# Altium PCB UHF Transceiver PCB.PcbDoc (part 2 of 5) (continued)
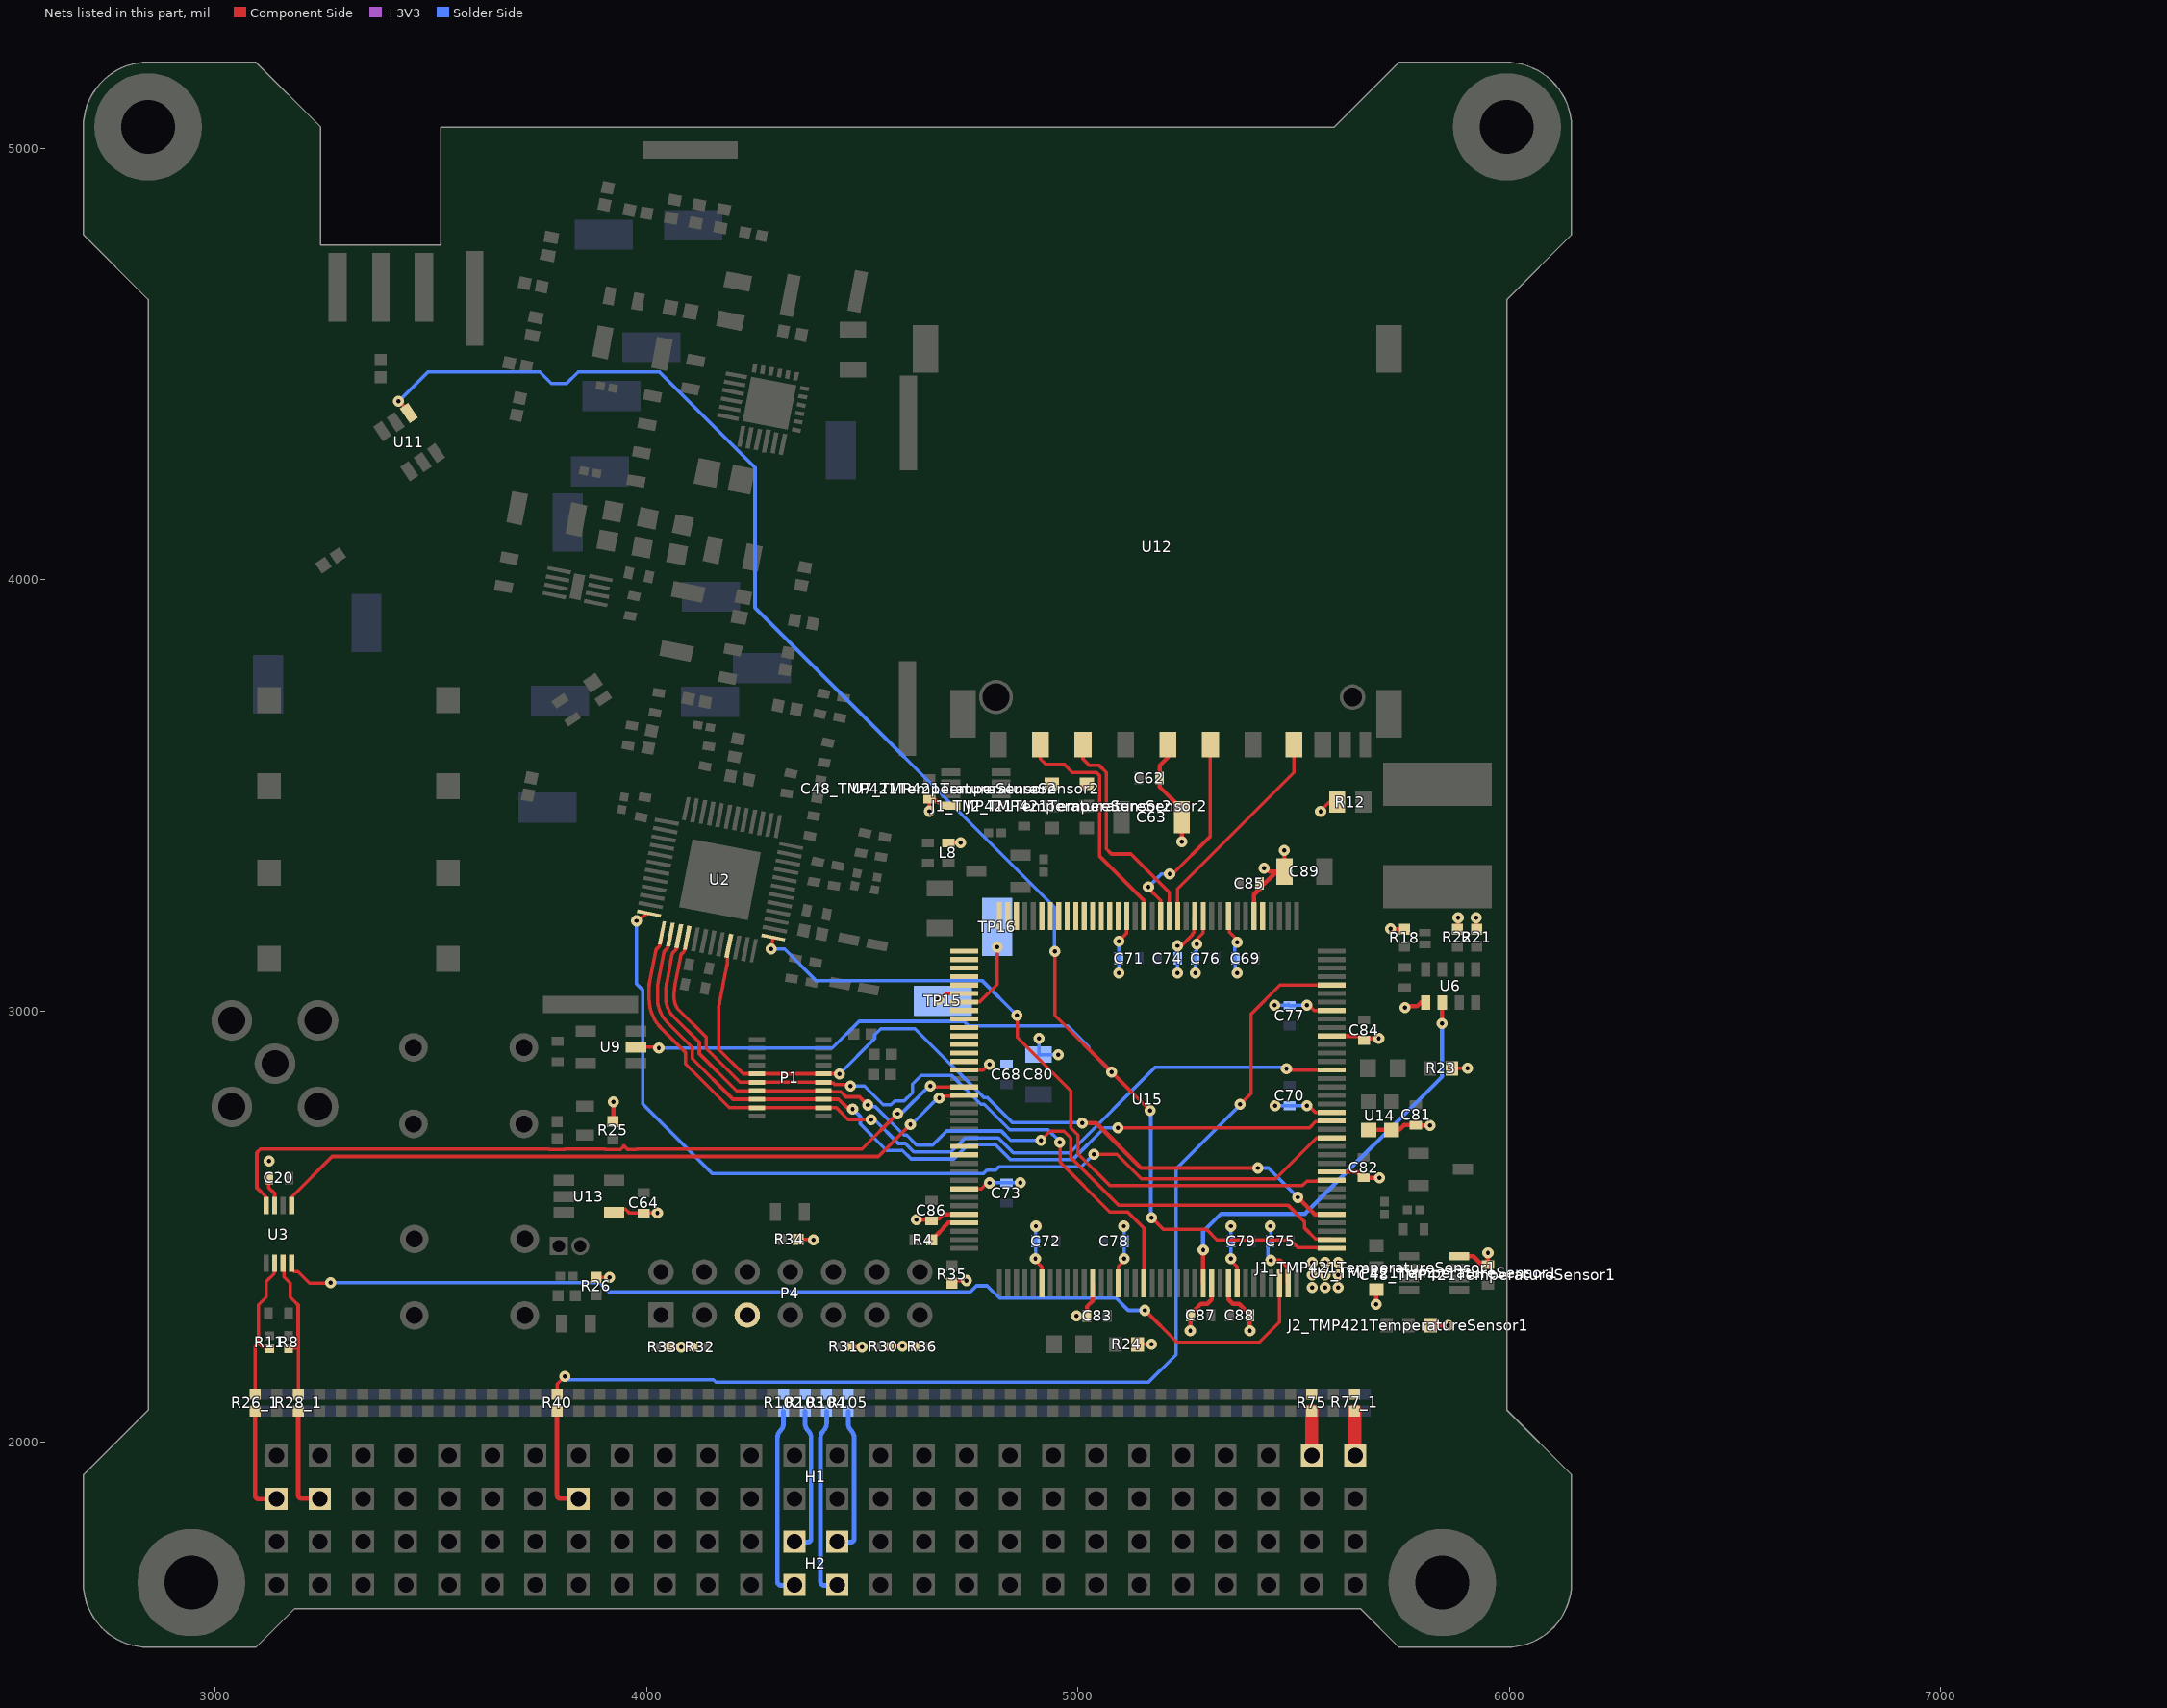
[diagram p4: the nets of this part, all layers, seen from the top]
## Part data (continued)
S1 S2: library part 452, "SWITCH TACTILE SPST-NO 0.05A 24V", Power (Watts)=1.2W, Supplier Part Number 1=450-1804-ND, LatestRevisionDate=17-Jul-2002, LatestRevisionNote="Re-released for DXP Platform.", Manufacturer Part Number=1825910-7, PackageDescription="Tactile Switch SPST-NO Top Actuated Through Hole", PackageReference=1825910-7, Part Number=452, Published=24-Mar-1999, Publisher="Altium Limited", Supplier 1=Digi-Key, Supplier Link=http://www.digikey.ca/product-search/en?keywords=450-1804-ND
TP1 TP2 TP3 TP4 TP5 TP6 TP7 TP8 TP9 TP10 TP11 TP12 TP13 TP14 TP15 TP16: library part PTP-KS-00001, "PC TEST POINT MINI SMD", Supplier Part Number 1=36-5017CT-ND, Index=1, LatestRevisionDate=2016-03-15, LatestRevisionNote=..., Manufacturer Part Number=5017, PackageDescription="Testpoint Lug Mini SMD 27X10X152", PackageReference=KS-5017, Part Number=PTP-KS-00001, Published=2016-03-15, Publisher=AlbertaSat, Supplier 1=Digi-key, Supplier 2=Newark, Supplier 3=Mouser, Supplier Link=#http://www.digikey.ca/product-detail/en/keystone-electronics/5017/36-5017TR-ND/2217304#
U1: library part PU-NDK-00001, "OSC VCTCXO 19.68MHZ SMD", Current - Supply (Max)=1.5mA, Frequency Stability=±2.5ppm, Manufacturer Part Number=NT3225SA-19.680000MHZ, Operating Temperature="-30°C ~ 75°C", Supplier Part Number 1=644-1088-1-ND, Voltage - Supply=3V, Index=1, LatestRevisionDate=2018-09-04, LatestRevisionNote=..., PackageDescription="4-SMD, No Lead, 0.126\" L x 0.098\" W x 0.039\" H (3.20mm x 2.50mm x 1.00mm)", PackageReference="4-SMD, No Lead", Part Number=PU-NDK-00001, Published=2018-09-04, Publisher=AlbertaSat, Supplier 1=Digi-key, Supplier 2="Excess Parts", Supplier Link=#https://www.digikey.ca/products/en?keywords=644-1088-1-ND#, Supplier Part Number 2=NT3225SA-19.680000MHZ
U2: library part PU-ADI-00005, "IC RF TXRX ISM<1GHZ 48-VFQFN", Manufacturer_Name="Analog Devices", Manufacturer_Part_Number=ADF7021BCPZ, Manufacturer Part Number=ADF7021BCPZ-RL, RS Part Number=6977565, Supplier Part Number 1=ADF7021BCPZ-RLCT-ND, Datasheet Link=http://www.analog.com/static/imported-files/data_sheets/ADF7021.pdf, Geometry.Height=0.8mm, Index=5, LatestRevisionDate=2018-02-06, LatestRevisionNote=..., PackageDescription="PQFN, 48-Leads, Body 7.00x7.00mm, Pitch 0.50mm, Thermal Pad 4.10x4.10mm, IPC Medium Density", PackageReference=48-VFQFN, Part Number=PU-ADI-00005, Published=2018-02-06, Publisher=AlbertaSat, Supplier 1=Digi-key, Supplier 2=Mouser, Supplier_Name=RS, Supplier Link=#https://www.digikey.ca/product-detail/en/analog-devices-inc/ADF7021BCPZ-RL/ADF7021BCPZ-RLCT-ND/4162134#, Supplier Part Number 2=584-ADF7021BCPZ-R
U3: library part 78, "IC TXRX CAN 3.3V SOT23-8", Manufacturer Part Number=TCAN337GDCNR, Operating Temperature="-40°C ~ 125°C", Supplier Part Number 1=296-48971-1-ND, PackageReference=SOT-23-8, Part Number=78, Supplier 1=Digi-Key, Supplier 2=Mouser, Supplier Link=#https://www.digikey.ca/product-detail/en/texas-instruments/TCAN337GDCNR/296-48971-1-ND/8635034#, Supplier Part Number 2=595-TCAN337GDCNR
U4: library part 51, "IC LOAD SWITCH 6A 8WSON", Manufacturer Part Number=TPS22965QWDSGTQ1, Operating Temperature="-40°C ~ 125°C (TA)", Supplier Part Number 1=296-50067-1-ND, PackageReference="8-WFDFN Exposed Pad", Part Number=51, Supplier 1=Digi-Key, Supplier 2=Mouser, Supplier Link=#https://www.digikey.ca/product-detail/en/texas-instruments/TPS22965QWDSGTQ1/296-50067-1-ND/9462874#, Supplier Part Number 2=595-TPS22965QWDSGRQ1
U5: library part PU-QRV-00001, "RF Amplifier IC CDMA, GSM, EDGE 100MHz ~ 1GHz 24-LCC (4x4)", Manufacturer Part Number=RF6886TR13, Operating Frequency="100MHz - 1 GHz", Operating Supply Voltage="3.6 V", Operating Temperature="-40°C ~ 85°C (TA)", Opperating Supply Current="390 mA", Supplier Part Number 1=772-RF6886, Applications="General Purpose", Gain="31 dB", Index=1, LatestRevisionDate=2018-04-20, LatestRevisionNote=..., PackageDescription=QFN-24, PackageReference="24-VFQFN Exposed Pad", Part Number=PU-QRV-00001, Published=2018-04-20, Publisher=AlbertaSat, Supplier 1=Mouser, Supplier 2="Avnet Asia", Supplier Link=#https://ca.mouser.com/ProductDetail/Qorvo/RF6886TR13?qs=sGAEpiMZZMuI1aKsGLfKZB%252b0jWhrXKds1WCZrINp87s%3d#, Supplier Part Number 2=RF6886TR13
U6: library part PU-ABR-00037, "IC RTC CLK/CALENDAR I2C 8-SMT", Manufacturer Part Number=AB-RTCMK-32.768KHZ-T3, Supplier Part Number 1=535-11916-1-ND, Index=37, LatestRevisionDate=2018-04-23, LatestRevisionNote=..., PackageDescription="8-SMD Module", PackageReference="8-SMD Module", Part Number=PU-ABR-00037, Published=2018-04-23, Publisher=AlbertaSat, Supplier 1=Digi-key, Supplier 2=Mouser, Supplier Link=https://www.digikey.ca/product-detail/en/abracon-llc/AB-RTCMK-32.768KHZ-T3/535-11916-1-ND/3601050, Supplier Part Number 2=815-AB-RTCMK-32.7KT3
U7_TMP421TemperatureSensor1 U7_TMP421TemperatureSensor2: library part 40, "SENSOR TEMPERATURE SMBUS SOT23-8", Manufacturer Part Number=TMP421AIDCNR, Operating Temperature="-40°C ~ 125°C", Supplier Part Number 1=296-35959-1-ND, PackageReference=SOT-23-8, Part Number=40, Supplier 1=Digi-Key, Supplier 2=Mouser, Supplier Link=#https://www.digikey.ca/product-detail/en/texas-instruments/TMP421AIDCNR/296-35959-1-ND/4135040#, Supplier Part Number 2=595-TMP421AIDCNR
U8: library part PU-QRV-00002, "RF Amplifier .05-4GHz SSG 12.9dB NF .8dB GaAs", Operating Frequency="50 MHz to 4 GHz", Operating Supply Voltage=5V, Operating Temperature="-40°C ~ 85°C (TA", Opperating Supply Current="46 mA", Supplier Part Number 1=772-SPF5043Z, Applications="Wireless & RF Integrated Circuits", Gain="12.9 dB", Index=2, LatestRevisionDate=2018-05-28, LatestRevisionNote=..., Manufacturer Part Number=SPF5043Z, PackageDescription="SOT143, 4-Leads, Body 2.00x2.10mm, Pitch 1.30mm, IPC Medium Density", PackageReference=SOT-343-4, Part Number=PU-QRV-00002, Published=2018-05-28, Publisher=AlbertaSat, Supplier 1=Mouser, Supplier 2="Avnet Asia", Supplier Link=#https://www.mouser.ca/ProductDetail/Qorvo/SPF5043Z?qs=p6lVfQR1GSoUob90DTnCEA%3D%3D#, Supplier Part Number 2=SPF5043Z
U9: library part 52, "IC INVERTER SCHMITT 1CH SOT23-5", Current - Output (Max)="±50 mA", Manufacturer Part Number=SN74LVC1G14MDBVREP, Operating Temperature="-55°C ~ 125°C", Supplier Part Number 1=296-22346-1-ND, Voltage - Supply="1.65 V ~ 5.5 V", PackageReference="SOT-23-5, SC-74A, SOT-753", Part Number=52, Supplier 1=Digi-Key, Supplier 2=Mouser, Supplier Link=#https://www.digikey.ca/products/en?keywords=296-22346-1-ND#, Supplier Part Number 2=595-SN74LVC14MDBVREP
U10: library part PU-MICI-00002, "Band Pass Filter", Manufacturer Part Number=SXBP-425+, Index=2, LatestRevisionDate=2018-12-19, LatestRevisionNote=..., Part Number=PU-MICI-00002, PassBand="410 to 440 MHz", Published=2018-12-19, Publisher=AlbertaSat, Supplier 1="Mini Circuits", Supplier Link=#https://www.minicircuits.com/WebStore/dashboard.html?model=SXBP-425%2B#, Supplier Part Number 1=SXBP-425+
U11: library part PU-SKYW-00003, "IC SW SPDT 0.1-2.5GHZ SOT6", Manufacturer Part Number=AS193-73LF, Supplier Part Number 1=863-1006-1-ND, Index=3, LatestRevisionDate=2018-05-18, LatestRevisionNote=..., PackageDescription="SOT23, 6-Leads, Body 2.90x2.70mm, Pitch 0.95mm, IPC Medium Density", PackageReference="SOT-23 6L", Part Number=PU-SKYW-00003, Published=2018-05-18, Publisher=AlbertaSat, Supplier 1=Digi-key, Supplier 2=Mouser, Supplier Link=#https://www.digikey.ca/products/en?keywords=863-1006-1-ND#, Supplier Part Number 2=873-AS193-73LF
U12: library part 56, "CONN SD CARD PUSH-PULL R/A SMD", Supplier Part Number 1=732-3817-1-ND, Manufacturer Part Number=693063010911, Part Number=56, Supplier 1=Digi-Key, Supplier 2=Mouser, Supplier Link=#https://www.digikey.ca/product-detail/en/wurth-electronics-inc/693063010911/732-3817-1-ND/3124599#, Supplier Part Number 2=710-693063010911
U13: library part PU-STM-00004, "IC WATCHDOG TIME CIRCUIT SOT23-5", Manufacturer Part Number=STWD100YNWWY3F, Supplier Part Number 1=497-14864-1-ND, Index=4, LatestRevisionDate=2017-04-06, LatestRevisionNote=..., Output Type="Open Drain", PackageReference=SOT-23-5, Part Number=PU-STM-00004, Published=2017-04-06, Publisher=AlbertaSat, Supplier 1=Digi-key, Supplier 2=Mouser, Supplier Link=https://www.digikey.ca/product-search/en?keywords=497-14864-1-ND, Supplier Part Number 2=511-STWD100YNWWY3F
U14: library part PU-ABR-00014, "OSC MEMS 16.000MHZ CMOS SMD", Manufacturer Part Number=ASDMB-16.000MHZ-XY-T, Supplier Part Number 1=535-11457-1-ND, Tolerance=±10ppm, Index=14, LatestRevisionDate=2017-10-24, LatestRevisionNote=..., PackageDescription="DFN, 4-Leads, Body 2.00x2.50mm, Pitch 1.65mm, IPC Low Density", PackageReference="4-SMD, No Lead", Part Number=PU-ABR-00014, Published=2017-10-24, Publisher=AlbertaSat, Supplier 1=Digi-key, Supplier 2=Mouser, Supplier Link=http://www.digikey.ca/product-search/en?keywords=535-11457-1-ND, Supplier Part Number 2=815-ASDMB-16-XY-T
U15: library part 59, "IC MCU 32BIT 1.25MB FLASH 144QFP", Manufacturer Part Number=TMS5701224CPGEQQ1, Operating Temperature="-40°C ~ 125°C (TJ)", Supplier Part Number 1=296-47200-ND, Core Processor="Arm-Cortex - R4F", Core Size=32-Bit, PackageReference=144-LQFP, Part Number=59, Program Memory Size="1280KB (1280K x 8)", RAM Size="192K (192K X 8)", Speed=160MHz, Supplier 1=Digi-Key, Supplier 2=Mouser, Supplier Link=#https://www.digikey.ca/product-detail/en/texas-instruments/TMS5701224CPGEQQ1/296-47200-ND/5414218#, Supplier Part Number 2=595-MS5701224CPGEQQ1

## Free pads (board coordinates)
  round 250 hole 125: 7(5843.98,1674.7) 8(2943.98,1674.7) 9(2843.98,5049.7) 10(5993.98,5049.7)

## Via types
v1: diameter 25.84, hole 9.84, Component Side to Solder Side, tented both sides, 647 vias
v2: diameter 25.78, hole 9.84, Component Side to Solder Side, tented both sides, 129 vias
v3: diameter 21.81, hole 11.81, Component Side to Solder Side, tented both sides, 20 vias
v4: diameter 25.84, hole 9.84, Component Side to Solder Side, 3 vias
v5: diameter 25.84, hole 9.84, GND to Solder Side, tented both sides, 1 vias

## Nets (pads, with @x,y where several pads share a name; then routed paths per layer and width w, separated by ;. In a path a pad name is that pad's centre, name@x,y a point inside that pad or via, vN(x,y) a via of type N, cw(c..) or ccw(c..) an arc to the next point about the centre after c; other vN are vias at no path point)
+1V2: C68.2 C69.2 C70.2 C71.2 C72.2 C73.2 C74.2 C75.2 C76.2 C77.2 C78.2 C79.2 C80.2 H1.52 R77_1.1 R77_1.2 U15.17 U15.29 U15.45 U15.48 U15.49 U15.57 U15.87 U15.101 U15.114 U15.123 U15.137 U15.143 | length 1879.9
  Component Side w8: U15.101@4735.62,2587.41 4775.39,2587.41 4789.39,2601.41 v1(4794,2601.41) v1@4794.21,2601.41 ; U15.87@4735.62,2863.28 4780.11,2863.28 4793.02,2876.19 v1(4794,2876.19) ; v1(4900.95,2426) 4900.95,2421.17 4915.74,2406.38 U15.114@4915.74,2368.2 ; U15.123@5092.91,2368.2 5092.91,2407.89 5106.19,2421.17 v1(5106.19,2426) ; v1(5094.05,3162) 5112.59,3180.54 U15.57@5112.59,3220.56 ; v1(5230,3151) 5233.41,3154.41 5242.48,3154.41 5264.55,3176.48 5264.55,3178.12 5268.23,3181.81 5268.23,3218.72 U15.49@5270.07,3220.56 ; v1(5275,3155) 5275,3165.95 5289.76,3180.71 U15.48@5289.76,3220.56 ; U15.45@5348.81,3220.56 5350.66,3218.72 5350.66,3183.11 5365.59,3168.18 5365.59,3162.41 v1(5369,3159) ; v1(5354.16,2426.21) 5354.16,2421.39 5368.5,2407.05 U15.137@5368.5,2368.2 ; v1(5447,2422) 5468.42,2422 5484.77,2405.65 5484.77,2370.04 U15.143@5486.61,2368.2 ; v1(5530,2780) 5534.83,2780 5549.98,2764.85 U15.17@5587.99,2764.85 ; v1(5530,3012.95) 5534.83,3012.95 5546.71,3001.07 U15.29@5587.99,3001.07
  Component Side w30: H1.52@5641.92,1969.38 R77_1.1@5641.92,2073.27
  Solder Side w8: v1@4794.21,2601.41 4794.43,2601.62 C73.2@4834,2601.62 4834.22,2601.84 v1(4866,2601.84) 4873.78,2601.84 v1@4874.21,2601.41 ; v1(4900.95,2426) 4901.16,2426.21 4901.16,2465.78 C72.2@4901.38,2466 4901.38,2505.57 v1@4900.95,2506 ; v1(4909,2936) 4909,2900.26 C80.2@4908,2899.26 4908.26,2899 v1(4954,2899) ; v1@5094.05,3082 5094.38,3082.33 C71.2@5094.38,3122 5094.38,3136.17 5094.05,3136.5 v1(5094.05,3162) ; v1(5106.19,2426) 5106.41,2426.22 5106.41,2465.79 C78.2@5106.62,2466 5106.62,2505.57 v1@5106.19,2506 ; v1(5230,3151) 5230.31,3150.69 5230.31,3122.31 C74.2@5230.62,3122 v1(5230.62,3088) v1@5230.62,3082.33 ; v1@5271.05,3082 5271.38,3082.33 v1(5271.38,3088) C76.2@5271.38,3122 5271.38,3136.17 5271.05,3136.5 5275,3140.45 v1(5275,3155) ; v1@5353.95,2426 v1(5354.16,2426.21) 5354.16,2465.78 C79.2@5354.38,2466 v1(5354.38,2501) 5354.38,2505.57 v1@5353.95,2506 ; v1@5364.38,3088.38 C69.2@5364.38,3122 5363.19,3123.19 5363.19,3154.31 5364.31,3154.31 v1(5369,3159) ; v1@5446.22,2505.36 5446.22,2501 5446.22,2465.79 5440,2459.57 5440,2429 v1(5447,2422) ; v1@5450,3012.95 v1(5456,3012.95) 5485.57,3012.95 5487.62,3015 C77.2@5490,3012.62 5504.17,3012.62 5504.5,3012.95 v1(5530,3012.95) ; v1(5456.43,2780.43) C70.2@5490,2780.43 5490.21,2780.22 5529.78,2780.22 v1(5530,2780)
  other v1: 5543,2359 5573,2359 5603,2359 5543,2388 5573,2388 5603,2388 5543,2417 5573,2417 5603,2417 4902,2501 5106,2501 5446,2501 5094.05,3088 5369,3088
+3V3: C20.1 C48_TMP421TemperatureSensor1.1 C48_TMP421TemperatureSensor2.1 C62.1 C63.1 C64.1 C81.2 C82.2 C83.2 C84.2 C85.2 C86.2 C87.2 C88.2 C89.2 H1.50 J1_TMP421TemperatureSensor1.3 J1_TMP421TemperatureSensor2.3 J2_TMP421TemperatureSensor1.3 J2_TMP421TemperatureSensor2.3 L8.1 P4.5 R12.2 R18.2 R21.1 R22.1 R23.1 R24.1 R25.2 R26.2 R30.2 R31.2 R32.2 R33.2 R34.2 R35.2 R36.2 R75.1 R75.2 U3.3 U6.1 U7_TMP421TemperatureSensor1.8 U7_TMP421TemperatureSensor2.8 U12.4 U13.5 U14.1 U14.4 U15.10 U15.26 U15.42 U15.104 U15.120 U15.134 U15.136 | length 2512.1
  Component Side w8: C20.1@3123.47,2612.74 3123.47,2590.43 3137.14,2576.75 U3.3@3137.14,2548.93 ; R26.2@3882.51,2382.06 3913.94,2382.06 v1(3914,2382) ; U13.5@3927.07,2540.6 3950.69,2540.6 3959.91,2531.38 C64.1@3993,2531.38 v1(4024.62,2531.38) ; R33.2@4051,2221 v1(4080,2221) R32.2@4108.24,2221 ; R34.2@4350.68,2470 4385,2470 v1(4386,2469) ; R31.2@4471.8,2222 4498,2222 v1(4499,2221) ; R30.2@4562.8,2222 4563.3,2222.5 4591.5,2222.5 4592,2222 v1(4593,2223) 4594,2222 R36.2@4623.2,2222 ; C48_TMP421TemperatureSensor2.1@4650,3490.8 4650.04,3490.84 4668.09,3490.84 4682.93,3476 U7_TMP421TemperatureSensor2.8@4704.93,3476 ; v1(4655,3463.26) C48_TMP421TemperatureSensor2.1@4655,3491.1 ; L8.1@4698.62,3389.71 4698.92,3390 v1(4728,3390) ; R35.2@4707,2369.31 4712.68,2375 v1(4741,2375) ; R24.1@5137.59,2227 v1(5170,2227) ; v4(5562,3462.84) 5562,3464.21 5581.79,3484 R12.2@5600.49,3484 ; R23.1@5866.59,2867 v1(5903,2867) ; R22.1@5879.18,3189.77 5881,3191.59 v1(5881,3216) ; v1(5923,3216) 5923,3196.73 5927.18,3192.55 R21.1@5925.36,3190.73
  Component Side w10: R25.2@3921.94,2742.81 3923,2743.87 v1(3923,2789) ; v1(4625,2516) 4657.38,2516 C86.2@4660,2513.38 4665.24,2518.61 4676.24,2518.61 4686.26,2528.63 U15.104@4735.62,2528.63 ; v1(4996,2293) C83.2@5020.38,2293 5020.38,2314.71 5033.85,2328.18 U15.120@5033.85,2368.2 ; U12.4@5208.2,3617.68 5208.2,3588.15 5188.62,3568.57 C62.1@5188.62,3540 5188.62,3520.04 5240.16,3468.49 C63.1@5240.16,3449.79 5240.16,3392.16 v1(5240,3392) ; v1(5260,2259) 5260,2296.63 5284.54,2321.17 5299.44,2321.17 5309.44,2331.18 U15.134@5309.44,2368.2 ; U15.136@5348.81,2368.2 5348.81,2331.18 5358.82,2321.17 5373.09,2321.17 5398.13,2296.14 v1(5398.13,2259) ; U15.42@5407.87,3220.56 5407.87,3269.07 ; C85.2@5420.62,3296 C85.2@5420.62,3284.19 ; v1@5436.29,3331 5443.73,3323.56 C89.2@5459.99,3323.56 ; v1(5478,3372.3) 5478,3324.25 C89.2@5478.69,3323.56 C89.2@5459.99,3323.56 ; U15.10@5587.99,2627.06 5646.01,2627.06 5660.06,2613 C82.2@5664,2613 ; U15.26@5587.99,2942.02 5649.08,2942.02 5662.23,2928.87 C84.2@5663,2928.87 ; C82.2@5662,2613.38 v1(5698.62,2613.38) ; C84.2@5663,2931.87 5667.13,2936 v1(5697,2936) ; U14.4@5673.43,2724.52 U14.1@5726.57,2724.52 5744.29,2724.52 5755.15,2735.38 C81.2@5783,2735.38 5783.19,2735.19 5815.81,2735.19 v1(5816,2735) ; v1(5691,2320) J1_TMP421TemperatureSensor1.3@5691,2353.82 ; v1(5724,3191) 5725.5,3189.5 R18.2@5757,3189.5 ; v1(5758,3008) 5760.68,3010.68 5785.92,3010.68 5794.86,3019.61 U6.1@5805.69,3019.61 ; J2_TMP421TemperatureSensor1.3@5817,2271 v1(5858,2271) ; U7_TMP421TemperatureSensor1.8@5883.88,2431.38 5916.07,2431.38 5935.83,2411.62 C48_TMP421TemperatureSensor1.1@5950,2411.62 v1(5950,2439) ; 5407.87,3269.07 5420.62,3281.83 C85.2@5420.62,3284.19 ; 5407.87,3269.07 5407.87,3271.44 C85.2@5420.62,3284.19 ; C85.2@5420.62,3284.19 C89.2@5459.99,3323.56
  Component Side w30: H1.50@5541.92,1969.38 R75.1@5541.92,2073.27
  other v1: 3124.09,2651.74 5431,3331
"+3V3 Bus_1": H2.27 R104.1 R104.2 | length 495
  Solder Side w10.8: R104.2@4416.92,2072.07 4416.92,2043.9 ; H2.27@4443.92,1668.44 4411.06,1668.44 ; 4402.89,1676.62 ccw(c4411.06,1676.62) 4411.06,1668.44 ; 4402.89,1676.62 ccw(c4411.06,1676.62) 4411.06,1668.44 ; 4402.89,1676.62 4402.89,2010.23 ; 4402.89,2010.23 cw(c4426.59,2010.23) 4409.83,2026.99 ; 4402.89,2010.23 cw(c4426.59,2010.23) 4409.83,2026.99 ; 4409.83,2026.99 4409.97,2027.13 ; 4409.97,2027.13 ccw(c4393.21,2043.9) 4416.92,2043.9 ; 4409.97,2027.13 ccw(c4393.21,2043.9) 4416.92,2043.9
"+3V3 Bus_2": H2.28 R105.1 R105.2 | length 374.4
  Solder Side w10.8: H2.28@4441.92,1768.44 4472.77,1768.44 ; R105.1@4466.92,2072.07 4466.92,2043.9 ccw(c4490.62,2043.9) 4473.86,2027.13 4474,2026.99 ; 4472.77,1768.44 ccw(c4472.77,1776.62) 4480.95,1776.62 ; 4472.77,1768.44 ccw(c4472.77,1776.62) 4480.95,1776.62 ; 4474,2026.99 cw(c4457.24,2010.23) 4480.95,2010.23 ; 4474,2026.99 cw(c4457.24,2010.23) 4480.95,2010.23 ; 4480.95,1776.62 4480.95,2010.23
"+5V0 Bus_1": H2.25 R102.1 R102.2 | length 495
  Solder Side w10.8: R102.2@4316.92,2072.07 4316.92,2043.9 ; H2.25@4343.92,1668.44 4311.06,1668.44 ; 4302.89,1676.62 ccw(c4311.06,1676.62) 4311.06,1668.44 ; 4302.89,1676.62 ccw(c4311.06,1676.62) 4311.06,1668.44 ; 4302.89,1676.62 4302.89,2010.23 ; 4302.89,2010.23 cw(c4326.59,2010.23) 4309.83,2026.99 ; 4302.89,2010.23 cw(c4326.59,2010.23) 4309.83,2026.99 ; 4309.83,2026.99 4309.97,2027.13 ; 4309.97,2027.13 ccw(c4293.21,2043.9) 4316.92,2043.9 ; 4309.97,2027.13 ccw(c4293.21,2043.9) 4316.92,2043.9
"+5V0 Bus_2": H2.26 R103.1 R103.2 | length 374.4
  Solder Side w10.8: H2.26@4341.92,1768.44 4372.77,1768.44 ; R103.1@4366.92,2072.07 4366.92,2043.9 ccw(c4390.62,2043.9) 4373.86,2027.13 4374,2026.99 ; 4372.77,1768.44 ccw(c4372.77,1776.62) 4380.95,1776.62 ; 4372.77,1768.44 ccw(c4372.77,1776.62) 4380.95,1776.62 ; 4374,2026.99 cw(c4357.24,2010.23) 4380.95,2010.23 ; 4374,2026.99 cw(c4357.24,2010.23) 4380.95,2010.23 ; 4380.95,1776.62 4380.95,2010.23
AD1EVT: U15.86
AD1IN0: U15.60
AD1IN1: U15.71
AD1IN2: U15.73
AD1IN3: U15.74
AD1IN4: U15.76
AD1IN5: TP15.1 U15.78 | length 66.2
  Component Side w8: v4(4675,3027) 4679.83,3027 4693.27,3040.44 U15.78@4735.62,3040.44
AD1IN6: U15.80
AD1IN7: U15.61
AD1IN8: U15.83
AD1IN9: U15.70
AD1IN10: U15.72
AD1IN11: U15.75
AD1IN12: U15.77
AD1IN13: TP16.1 U15.79 | length 179.7
  Component Side w8: U15.79@4735.62,3020.76 4771.23,3020.76 4812,3061.52 v4(4812,3148.01)
AD1IN14: U15.82
AD1IN15: U15.85
AD1IN16: U15.58
AD1IN17: U15.59
AD1IN18: U15.62
AD1IN19: U15.63
AD1IN20: U15.64
AD1IN21: U15.65
AD1IN22: U15.81
AD1IN23: U15.84
AD2EVT: U12.1 U15.55 | length 553.9
  Component Side w8: U12.1@4912.93,3617.68 4912.93,3584.15 4925.75,3571.33 4968.16,3571.33 4986.16,3553.33 5042.38,3553.33 5049.41,3546.3 5049.41,3359.59 5151.96,3257.04 U15.55@5151.96,3220.56
ADREFHI: U15.66
ADREFLO: U15.67
AWM1_EXT_SEL1: U12.5 U15.53 | length 483.7
  Component Side w8: v1(5163,3287.91) 5163,3284.5 5191.33,3256.17 U15.53@5191.33,3220.56 ; v1(5212,3318) 5219.35,3318 5306.63,3405.28 U12.5@5306.63,3617.68
  Solder Side w8: v1(5163,3287.91) 5193.09,3318 v1(5212,3318)
CAN_N: H1.1 R11.2 R26_1.1 R26_1.2 U3.6 | length 606
  Component Side w8: R26_1.1@3091.92,2111.44 3091.92,2221.76 3100.14,2229.98 ; R11.2@3116.16,2216.24 3122,2216.24 3122,2216.39 3116.16,2222.24 3107.89,2222.24 3100.14,2229.98 ; U3.6@3137.14,2415.07 3137.14,2395.39 3135.3,2393.54 3135.3,2390.42 3117.81,2372.92 3117.81,2336.68 3100.14,2319.01 3100.14,2229.98
  Component Side w10.8: R26_1.2@3091.92,2072.07 3091.92,1876.62 ccw(c3100.09,1876.62) 3100.09,1868.45 H1.1@3141.92,1868.45
CAN_P: H1.3 R8.1 R28_1.1 R28_1.2 U3.7 | length 605.7
  Component Side w8: U3.7@3156.83,2415.07 3158.67,2413.23 3158.67,2383.68 3173.19,2369.16 3173.19,2336.68 3184.7,2325.17 3184.83,2325.17 3191.86,2318.14 3191.86,2230.98 3191.92,2230.92 3191.92,2218 ; R8.1@3169,2217.09 3169,2216.24 3170.76,2218 3191.92,2218 ; R28_1.1@3191.92,2111.44 3191.92,2218
  Component Side w10.8: R28_1.2@3191.92,2073 3191.92,1877.55 ; H1.3@3241.92,1869.38 3200.09,1869.38 ; 3191.92,1877.55 ccw(c3200.09,1877.55) 3200.09,1869.38 ; 3191.92,1877.55 ccw(c3200.09,1877.55) 3200.09,1869.38
CAN_RX: U3.4 U15.89 | length 1847.9
  Component Side w8: U3.4@3117.46,2548.93 3117.46,2568.61 3096,2590.07 3096,2671.49 3104.25,2679.74 3773.2,2679.74 3774.04,2678.9 3809.57,2678.9 3810.41,2679.74 3903.2,2679.74 3904.04,2678.9 3939.57,2678.9 3946.6,2685.93 3946.6,2687.69 3946.76,2687.69 3955.68,2678.77 3976.32,2678.77 3977.29,2679.74 4498.83,2679.74 v1(4581.09,2762) ; v1(4657,2826) 4659.09,2823.91 U15.89@4735.62,2823.91
  +3V3 w8: v1@4654,2826 v1(4657,2826)
  Solder Side w8: v1(4581.09,2762) 4590,2762 v1@4655.5,2827.5
CAN_TX: U3.1 U15.90 | length 1676.4
  Component Side w8: U3.1@3176.51,2548.93 3176.51,2568.61 3270.67,2662.77 4536.77,2662.77 v1(4611,2737) ; v1(4678,2798) 4682.38,2802.38 4712.38,2802.38 4714.22,2804.22 U15.90@4735.62,2804.22
  Solder Side w8: v1(4611,2737) 4613.5,2737 4674.5,2798 v1(4678,2798)
ECAP1: U15.41
ECAP2: U12.7 U15.51 | length 508.9
  Component Side w8: U15.51@5230.7,3220.56 5230.7,3283.46 5500.53,3553.28 U12.7@5500.53,3617.68
ECAP3: U12.2 U15.52 | length 519.5
  Component Side w8: U12.2@5011.35,3617.68 5011.35,3584.15 5026.18,3569.33 5049.01,3569.33 5065.41,3552.92 5065.41,3375.86 5077.27,3364 5122.15,3364 5211.02,3275.13 U15.52@5211.02,3220.56
ECAP4: U15.96
ECAP5: U15.97
ECAP6: R4.1 U15.105 | length 92.3
  Component Side w10: R4.1@4660.69,2469.58 4673.48,2482.37 4673.76,2482.37 4687,2495.62 4687,2497.34 4698.6,2508.95 U15.105@4735.62,2508.95
EPWM4A: H1.15 R40.1 R40.2 U15.32 | length 2838.2
  Component Side w8: R40.1@3791.92,2111.44 3791.92,2134.92 v1(3810,2153) ; v1(5375.69,2783.72) 5400.69,2808.72 5400.69,2992.88 5467.93,3060.13 U15.32@5587.99,3060.13
  Component Side w10.8: R40.2@3791.92,2073 R40.2@3791.92,2072.07 3791.92,1877.55 ; H1.15@3841.92,1869.38 3800.09,1869.38 ; 3791.92,1877.55 ccw(c3800.09,1877.55) 3800.09,1869.38 ; 3791.92,1877.55 ccw(c3800.09,1877.55) 3800.09,1869.38
  Solder Side w8: v1(3810,2153) 3818,2145 4154.43,2145 4160.35,2139.08 5163.08,2139.08 5226.92,2202.92 5226.92,2633.56 5375.69,2782.32 v1(5375.69,2783.72)
GIOA0: P1.7 P1.8 U2.27 U15.2 | length 2039.3
  Component Side w8: U2.27@4074.17,3173.57 4068.93,3146.62 cw(c4055.62,3149.21) 4063.2,3137.97 ; v1(4512,2782) 4492.92,2801.08 4461.68,2801.08 4449.84,2812.92 4430.11,2812.92 4429.43,2813.6 4410.27,2813.6 P1.7@4408.77,2815.1 P1.8@4255.23,2815.1 4207.81,2815.1 4121.66,2901.26 4121.66,2927.34 4061.06,2987.94 cw(c4102.1,3028.98) 4044.06,3028.98 4044.06,3045.01 cw(c4144.06,3045.01) 4045.89,3064.09 4059.03,3131.67 ; v1(4914,2700) 4934.92,2720.92 4967.32,2720.92 4982.92,2705.32 4982.92,2660.38 5093.3,2550 5486.09,2550 5524.35,2511.74 5524.35,2497.6 5550.54,2471.42 5586.14,2471.42 U15.2@5587.99,2469.58 ; 4059.03,3131.67 cw(c4068.72,3129.78) 4063.2,3137.97 ; 4059.03,3131.67 cw(c4068.72,3129.78) 4063.2,3137.97
  Solder Side w8: v1(4512,2782) 4515.41,2778.59 4529.26,2778.59 4595.77,2712.08 4602.68,2712.08 4625.68,2689.08 4662.26,2689.08 4695.1,2721.92 4821.58,2721.92 4843.5,2700 v1(4914,2700)
GIOA1: P1.11 P1.12 U2.33 U15.5 | length 1918.1
  Component Side w8: 4166.65,3002.89 cw(c4223.3,3002.89) 4168.27,3016.32 ; 4166.76,3002.81 4166.76,2911.11 4223.4,2854.47 P1.12@4255.23,2854.47 P1.11@4408.77,2854.47 4445.53,2854.47 4445.71,2854.29 v1(4446.29,2854.29) ; 4168.35,3016.95 4168.19,3016.33 4186.17,3106.56 ; 4185.98,3105.44 ccw(c4099.03,3120.93) 4186.17,3106.56 ; U2.33@4186.07,3132.84 cw(c4098.82,3119.17) U2.33@4186.69,3128.03 ; 4186.16,3106.21 ccw(c4124.06,3113.33) 4186.24,3106.92 ; 4186.23,3106.55 ccw(c4098.82,3119.17) U2.33@4186.69,3128.03 ; 4186.46,3108.45 4186.44,3108.31 ; U2.33@4186.73,3125.21 cw(c4249.21,3127.36) U2.33@4186.69,3128.03 ; U2.33@4188.47,3142.18 ccw(c4249.21,3127.36) U2.33@4186.69,3128.03 ; 4186.17,3106.57 ccw(c4099.03,3120.93) 4186.44,3108.31 ; 4186.17,3106.57 4186.24,3106.93 4186.44,3108.31
  Component Side w10: v1(5010,2740) 5042,2740 5146,2636 v1(5417,2636) ; v1(5509.16,2568) 5548.53,2528.63 U15.5@5587.99,2528.63
  Solder Side w8: v1(4446.29,2854.29) 4528.08,2936.08 4528.08,2944.32 4542.68,2958.92 4621.62,2958.92 4780.82,2799.72 4789.03,2799.72 4847.83,2740.92 5009.08,2740.92 v1(5010,2740) ; v1(5417,2636) 5441.16,2636 v1(5509.16,2568)
GIOA2: U2.37 U15.9 | length 1663.9
  Component Side w8: v1(4287.96,3143.69) U2.37@4293.1,3170.14 ; v1@4859,2990 4859,2938.66 4983,2814.66 4983,2729.29 4999.92,2712.36 4999.92,2668.83 5073.68,2595.08 5519.55,2595.08 5530,2605.53 5553.66,2605.53 5555.51,2607.37 U15.9@5587.99,2607.37
  Solder Side w8: v1(4287.96,3143.69) 4319.17,3143.69 4392.24,3070.62 4777.38,3070.62 v1(4858,2990)
GIOA5: U2.24 U15.14 | length 2211.1
  Component Side w8: v1(3976,3209) 4002.21,3226.68 U2.24@4005.15,3226.11 ; v1(5036,2668) 5089.96,2668 5146.88,2611.08 5457.66,2611.08 5552.38,2705.8 U15.14@5587.99,2705.8
  Solder Side w8: v1(3976,3209) 3976,3062.92 3990.46,3048.45 3990.46,2784.15 4151.54,2623.08 4780.43,2623.08 4788.43,2631.08 4808.32,2631.08 4816.32,2639.08 5007.08,2639.08 v1(5036,2668)
GIOA6: P1.5 P1.6 U2.26 U15.16 | length 2058.4
  Component Side w8: 4024.73,3047.77 4024.73,3027.98 ; U2.26@4054.84,3177.33 4049.6,3150.38 cw(c4036.3,3152.97) 4043.88,3141.73 ccw(c4049.4,3133.54) 4039.71,3135.43 4026.57,3067.85 ; v1(4477.34,2773) 4473.92,2776.41 4463.71,2776.41 4444.71,2795.42 P1.5@4408.77,2795.42 P1.6@4255.23,2795.42 4199.66,2795.42 4105.66,2889.42 4105.66,2915.5 4047.75,2973.4 ; v1(5092,2729.29) 5536.5,2729.29 5550.54,2743.32 5586.14,2743.32 U15.16@5587.99,2745.17 ; 4024.74,3027.98 cw(c4103.33,3028.98) 4024.73,3028.98 ccw(c4103.33,3028.98) 4024.74,3027.98 ; 4024.74,3027.98 ccw(c4103.33,3028.98) 4047.75,2973.4 ; 4024.74,3027.98 ccw(c4103.33,3028.98) 4047.75,2973.4 ; 4026.57,3067.85 ccw(c4124.73,3048.77) 4024.73,3048.77 cw(c4124.73,3048.77) 4026.57,3067.85
  Solder Side w8: v1(4477.34,2773) 4495.16,2755.18 4495.16,2737.76 4555.99,2676.92 4592.58,2676.92 4612.42,2657.08 4712.1,2657.08 4744.94,2689.92 4808.32,2689.92 4843.17,2655.08 4986.95,2655.08 5061.16,2729.29 v1(5092,2729.29)
GIOA7: P1.3 P1.4 U2.25 U15.22 | length 2055.1
  Component Side w8: 4005.41,3028.97 ccw(c4104.57,3028.98) 4034.45,2958.86 4089.66,2903.66 4089.66,2877.58 4191.5,2775.73 P1.4@4255.23,2775.73 P1.3@4408.77,2775.73 4439.36,2775.73 4467.02,2748.08 v1(4520.08,2748.08) ; 4005.41,3028.98 4005.41,3062.15 4007.25,3071.61 ; 4005.41,3052.53 cw(c4105.41,3052.53) 4007.25,3071.61 ; U2.25@4035.52,3181.09 4030.28,3154.14 cw(c4016.97,3156.72) 4024.55,3145.49 ccw(c4030.08,3137.3) 4020.38,3139.18 4007.25,3071.61 ; v1(5483,2866) 5485.92,2863.08 5587.79,2863.08 U15.22@5587.99,2863.28
  Solder Side w8: v1(4520.08,2748.08) 4527.92,2748.08 4583.08,2692.92 4599.21,2692.92 4619.05,2673.08 4705.47,2673.08 4738.31,2705.92 4814.95,2705.92 4849.79,2671.08 4980.32,2671.08 5179.17,2869.92 5479.08,2869.92 v1(5483,2866)
GIOB0: P1.9 P1.10 U2.28 U15.126 | length 1740.8
  Component Side w8: 4063.38,3028.97 ccw(c4100.86,3028.98) 4074.36,3002.48 4132.97,2943.86 4137.66,2939.17 4137.66,2913.09 4215.96,2834.79 P1.10@4255.23,2834.79 P1.9@4408.77,2834.79 4427.77,2834.79 4429.96,2832.6 4432.74,2832.6 4435.97,2829.37 4468.63,2829.37 v1(4472,2826) ; 4063.38,3028.98 4063.38,3041.26 ; U2.28@4093.49,3169.82 U2.28@4088.25,3142.87 ; v1(4957,2696) 4958,2695 4958,2649.37 5073.37,2534 5115,2534 5151.96,2497.04 U15.126@5151.96,2368.2 ; 4063.38,3041.26 cw(c4163.38,3041.26) 4065.22,3060.34 ; 4063.38,3041.26 cw(c4163.38,3041.26) 4065.22,3060.34 ; 4065.22,3060.34 4078.35,3127.91 ; 4078.35,3127.91 cw(c4088.05,3126.03) 4082.52,3134.22 ; 4078.35,3127.91 cw(c4088.05,3126.03) 4082.52,3134.22 ; 4082.52,3134.22 ccw(c4074.94,3145.45) U2.28@4088.25,3142.87 ; 4082.52,3134.22 ccw(c4074.94,3145.45) U2.28@4088.25,3142.87
  Solder Side w8: v1(4472,2826) 4504.47,2826 4548.15,2782.32 4566.17,2782.32 4574.93,2791.08 4596.32,2791.08 4616,2810.76 4616,2830.89 4636.04,2850.92 4706.99,2850.92 4774.19,2783.72 4782.4,2783.72 4841.2,2724.92 4930.08,2724.92 4957,2698 v1(4957,2696)
GIOB1: U6.2 U15.133 | length 995
  Component Side w10: U15.133@5289.76,2368.2 5289.76,2445.4 v1(5290,2445.64) ; v1(5844,2971) 5844,3002.81 5844.07,3002.88 U6.2@5844.07,3019.61
  Solder Side w10: v1(5290,2445.64) 5290,2488.66 5331.34,2530 5526,2530 5844,2848 v1(5844,2971)
GIOB2: U3.8 U15.142 | length 2496.3
  Component Side w8: U3.8@3176.51,2415.07 3176.51,2400.07 3177.67,2400.07 3182.36,2395.39 3191.58,2395.39 3217.81,2369.16 3265.92,2369.16 v1(3267,2370.24) ; v1(5155,2306) 5229,2232 5420.1,2232 5467,2278.9 5467,2335.64 5466.92,2335.72 U15.142@5466.92,2368.2
  Solder Side w8: v1(3267,2370.24) 3890.52,2370.24 3911.76,2349 4750.24,2349 4764.17,2362.92 4789.08,2362.92 4817.88,2334.12 5088.12,2334.12 5116.24,2306 v1(5155,2306)
GIOB3: U9.2 U11.4 U15.1 | length 4756.2
  Component Side w8: v2@3423.81,4410.88 3431.97,4409.29 3447.78,4385.85 U11.4@3451.61,4380.18 ; U9.2@3974.83,2916 4026,2916 v1(4028,2914) ; v1(4946,3138) 4946,2990 v1(5078,2858) v1(5167,2769) ; v1(5170,2521) 5197.46,2493.54 5297.96,2493.54 5322,2469.5 5491.74,2469.5 5509.51,2451.73 5553.66,2451.73 5555.51,2449.89 U15.1@5587.99,2449.89
  Solder Side w8: v2@3428,4417.17 3477.45,4466.62 3492.83,4482 3752,4482 3779,4455 3814,4455 3841,4482 4029,4482 4251,4260 4251,3935.01 4944.92,3241.09 4944.92,3139.08 v1(4946,3138) ; v1(4028,2914) 4430,2914 4492,2976 4735.54,2976 4746.46,2965.08 4975.89,2965.08 5025.28,2915.69 5025.28,2910.72 v1(5078,2858) ; v1(5167,2769) 5168.5,2767.5 5168.5,2522.5 v1(5170,2521)
  other v2: 3423.94,4413.39